# Altium PCB PCB.PcbDoc (part 1 of 2)
Units mm, origin at the board's own origin, x right, y up, seen from the top; angles counter-clockwise.
Board outline 139 x 230 mm, 2 copper layers (Top Layer, Bottom Layer), stack 1.671 mm thick; 214 components, 149 nets, 641 pads, 119 vias.
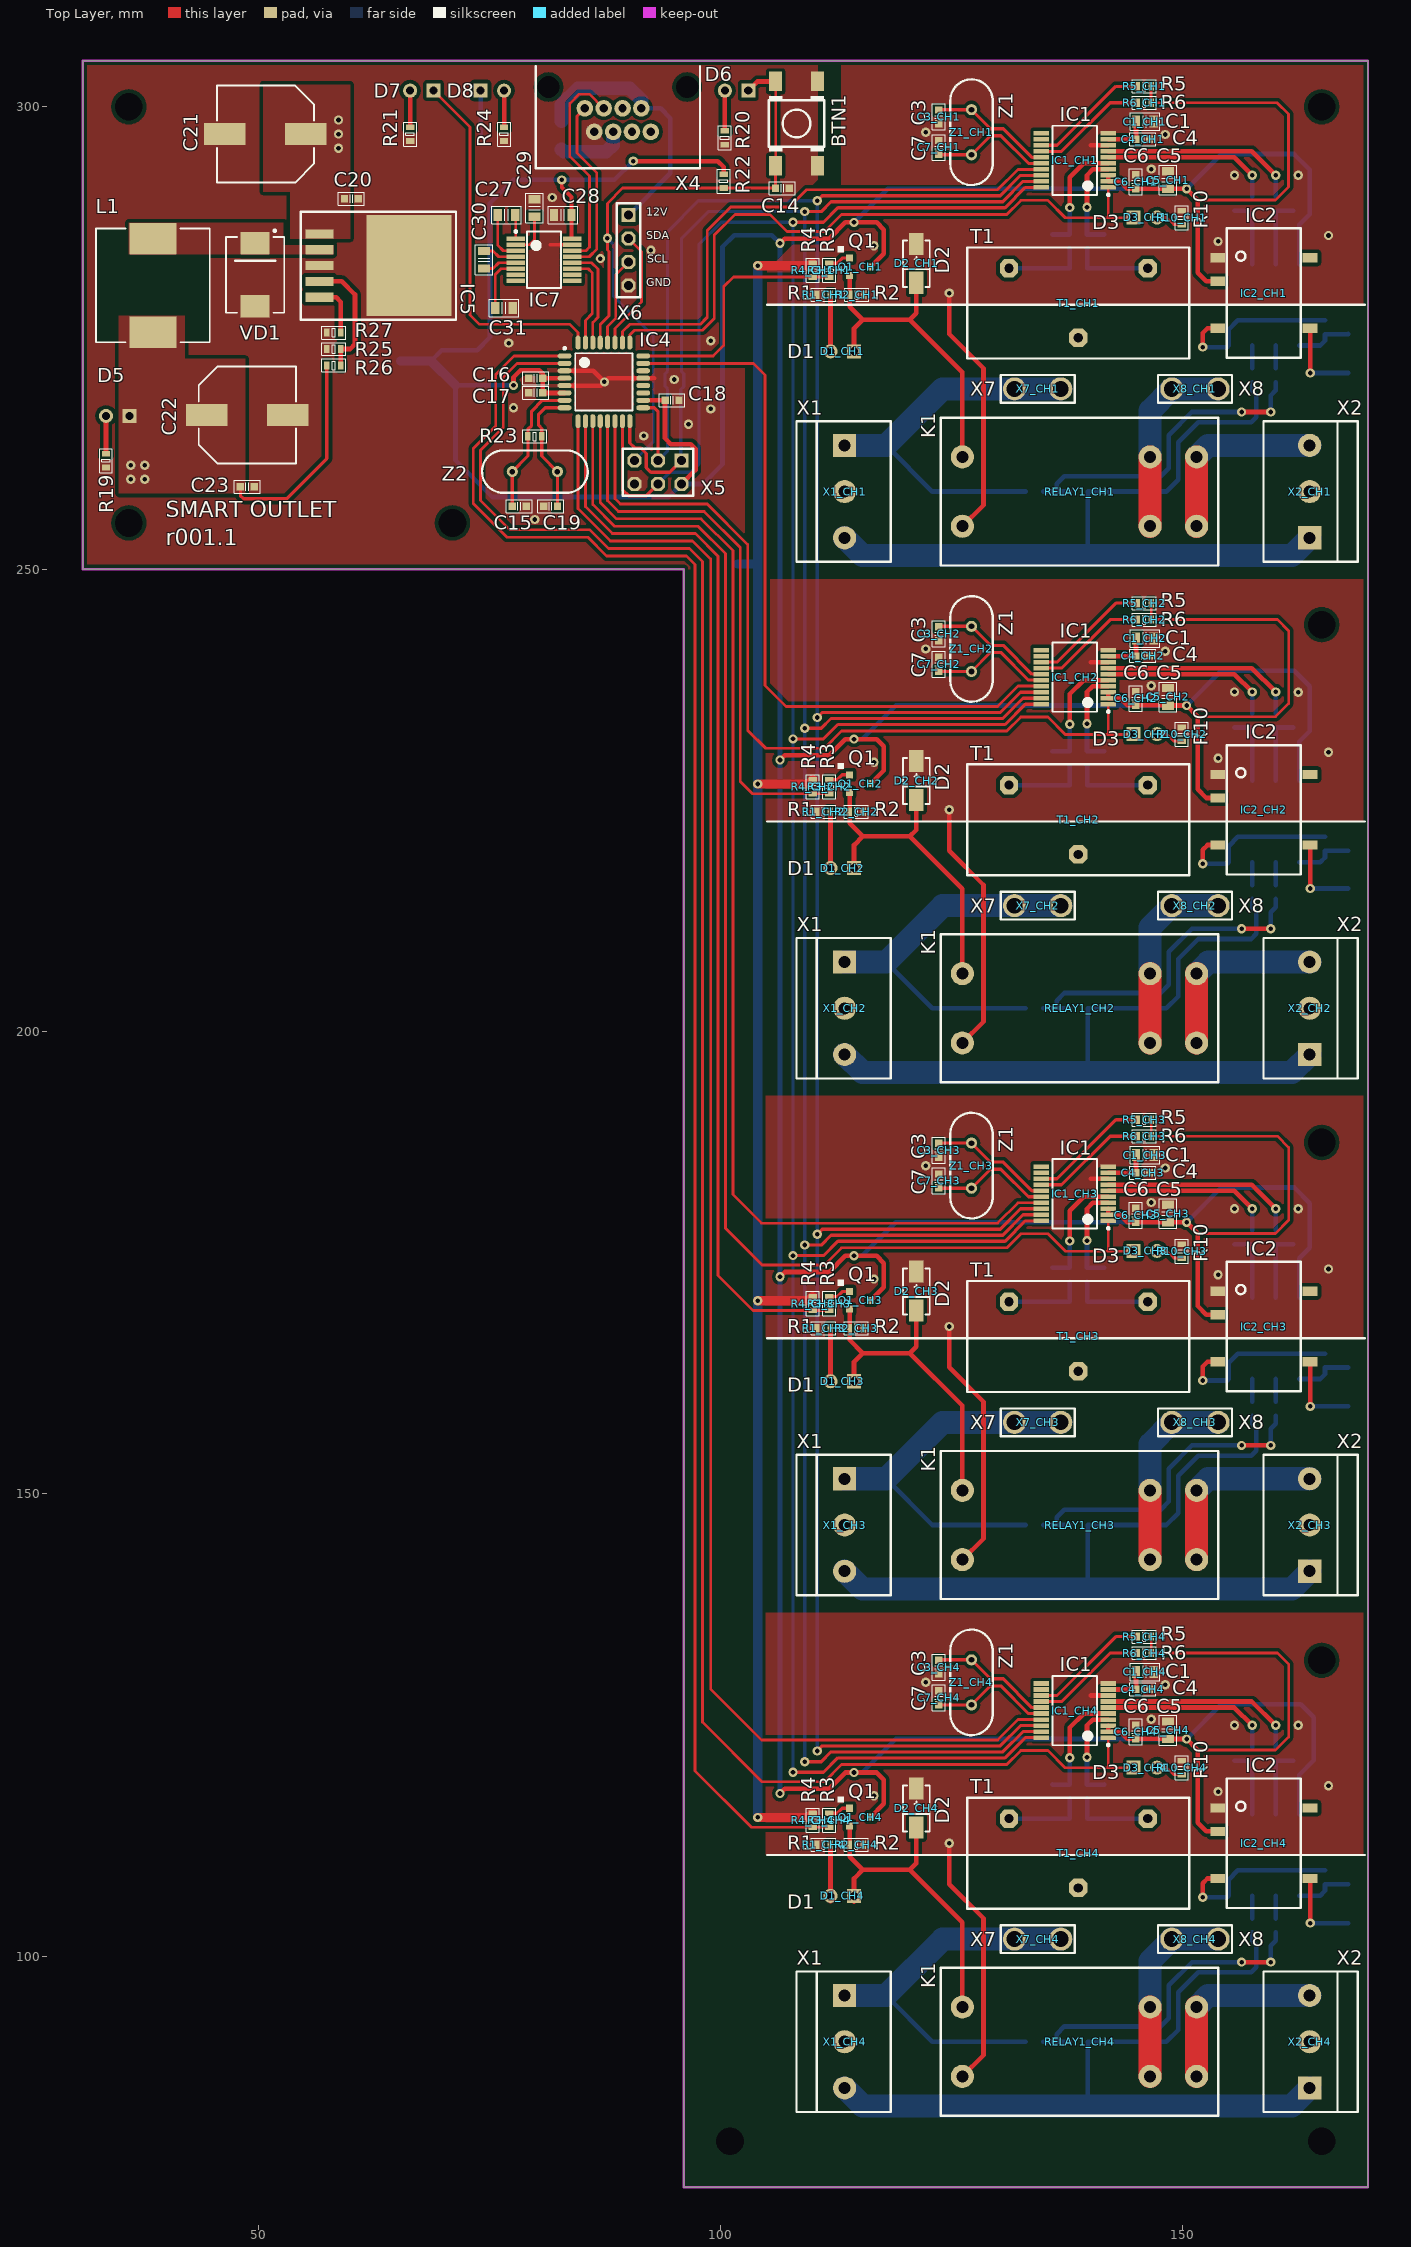
[diagram p0: Top Layer view]
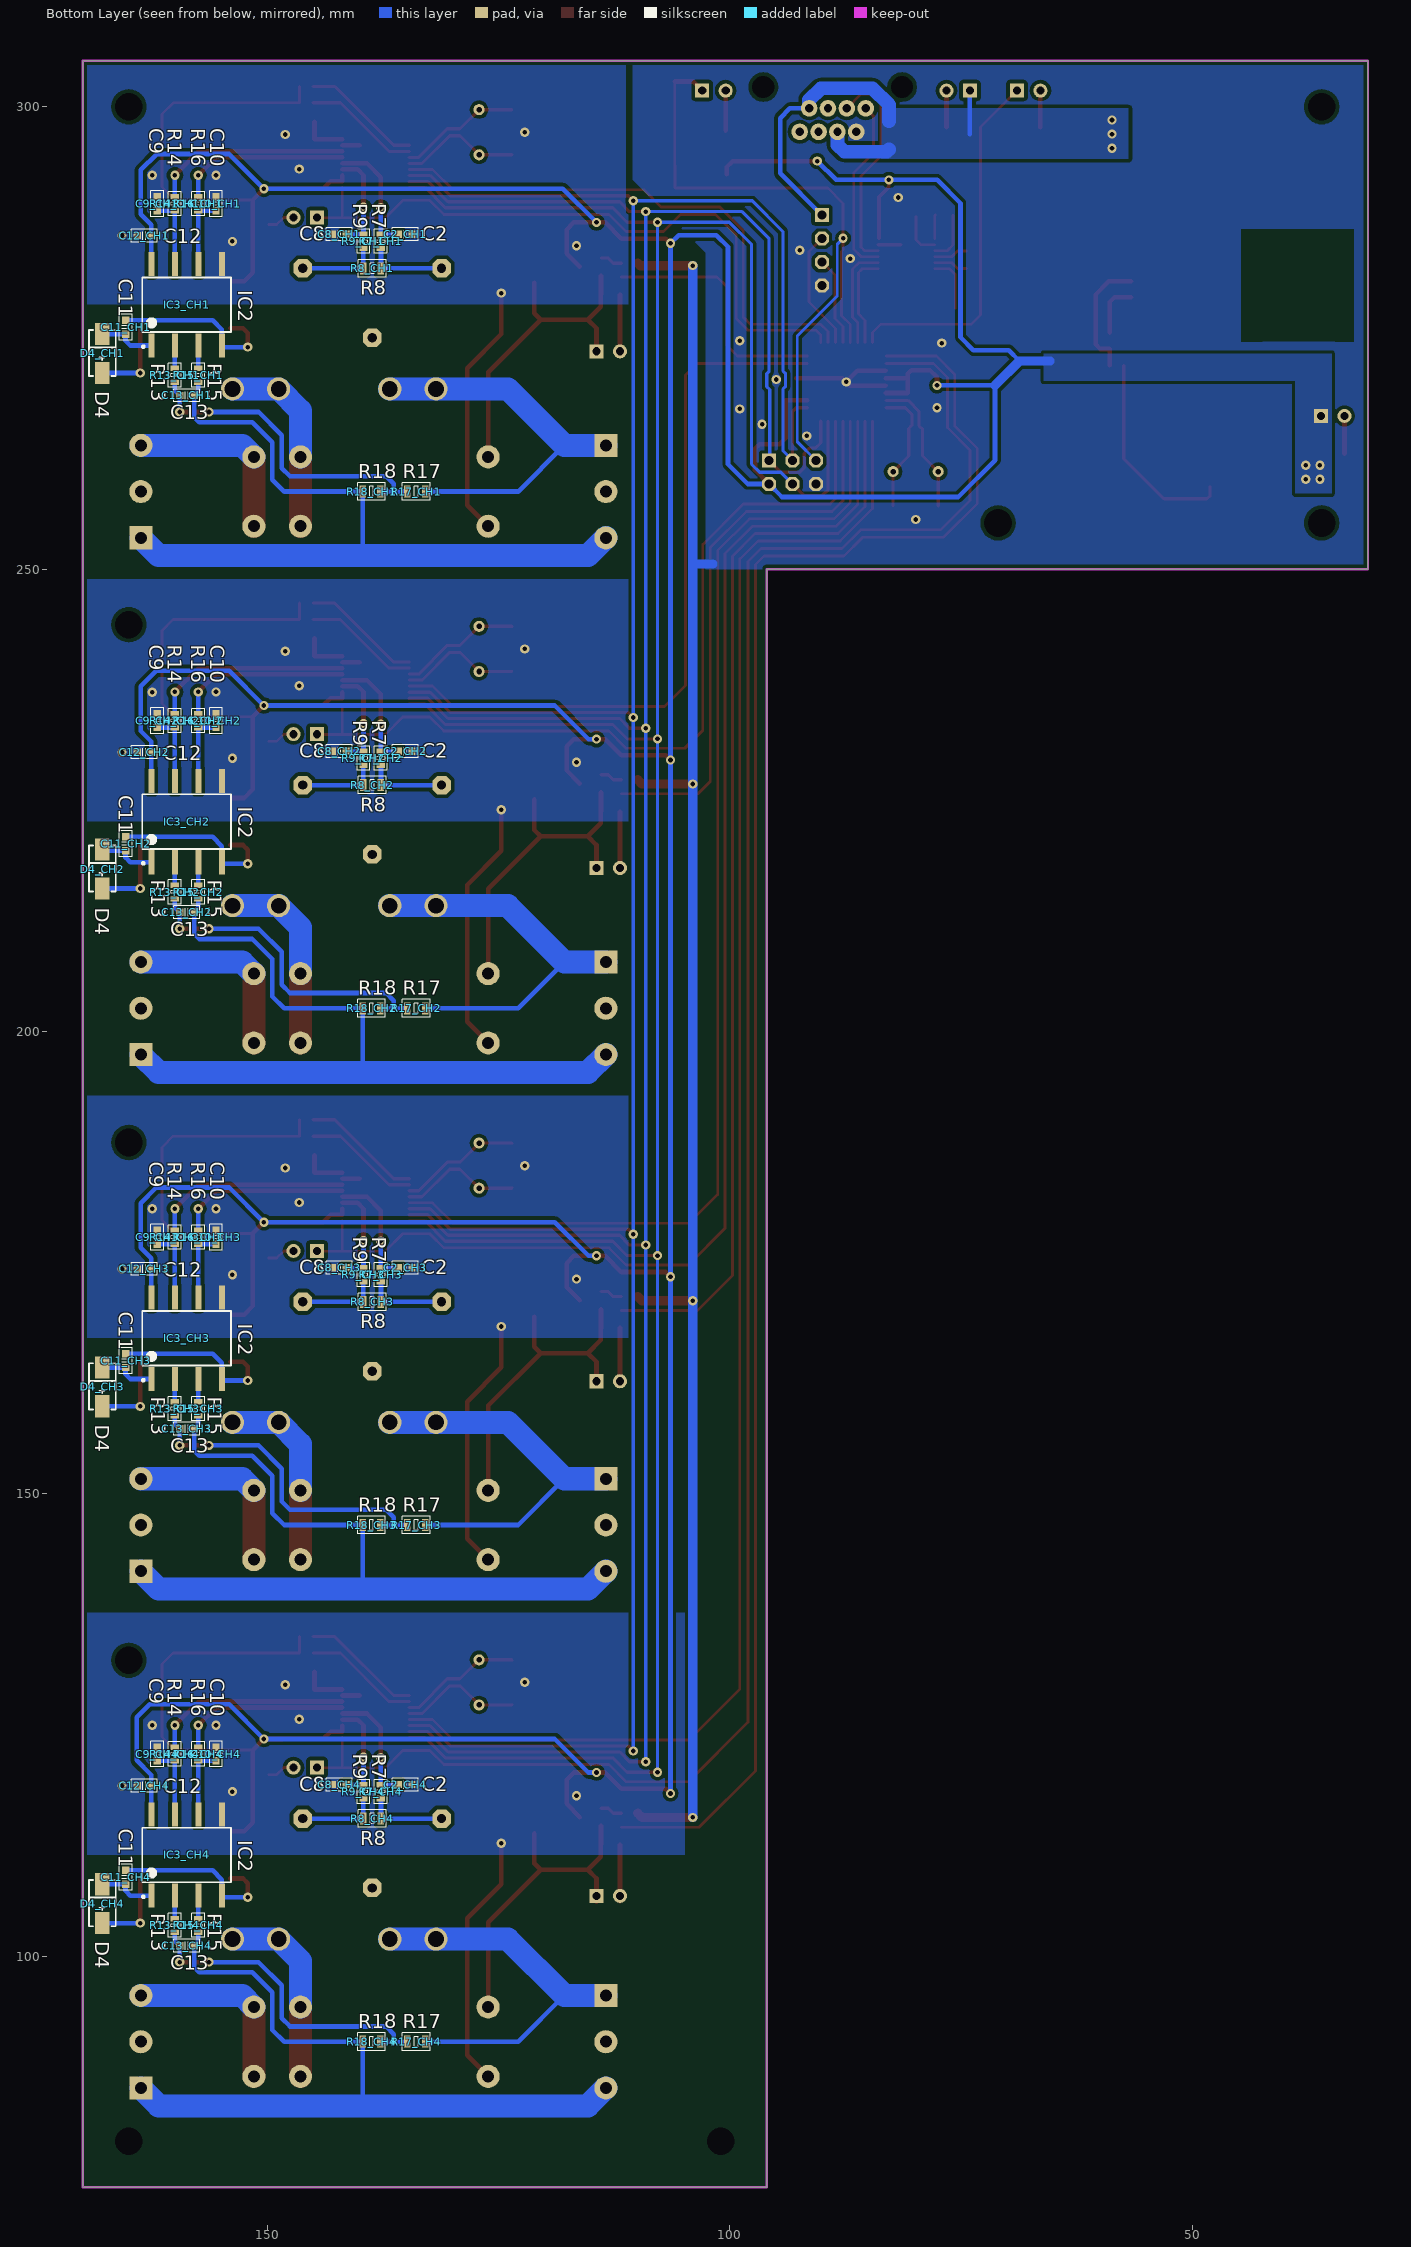
[diagram p1: Bottom Layer view, seen from below]
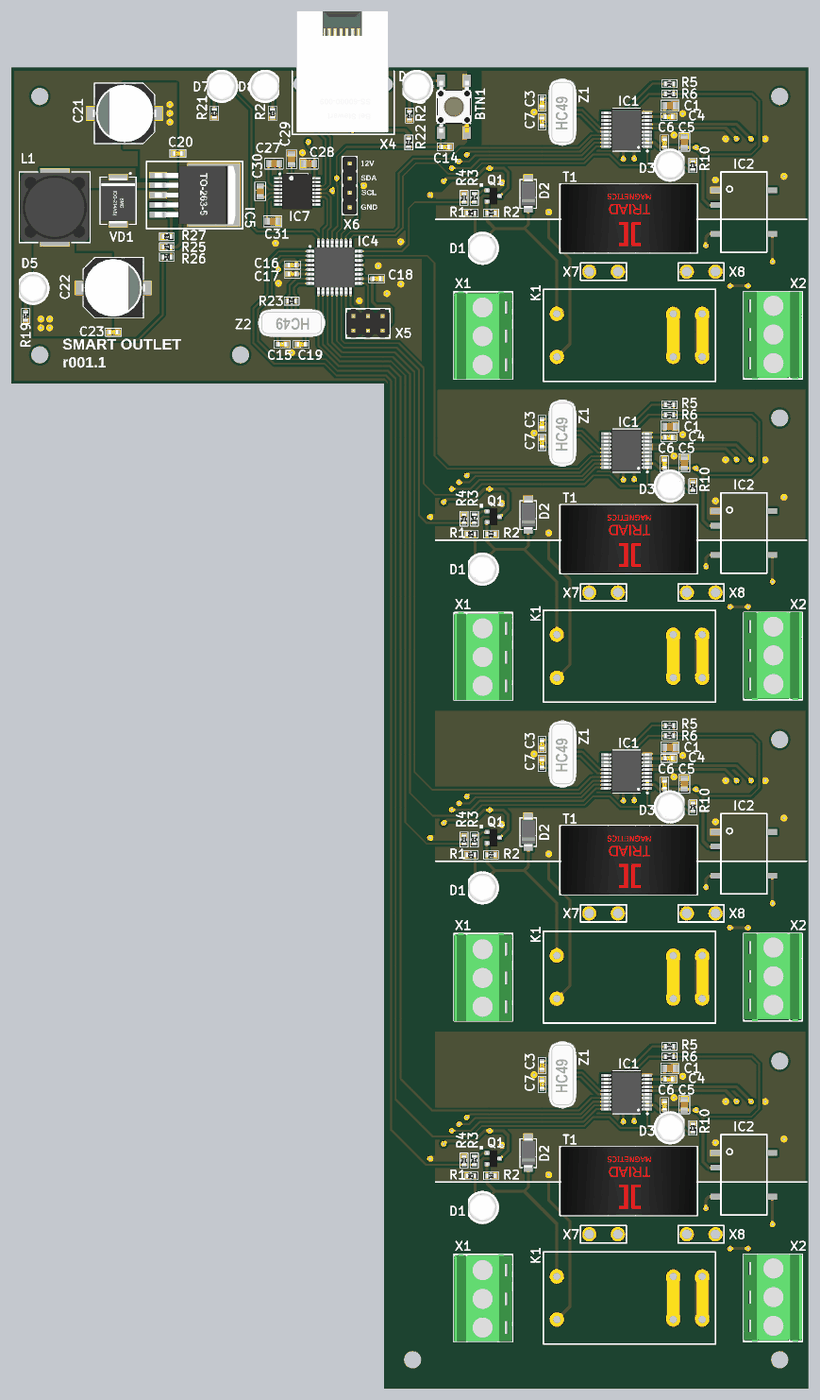
[diagram p3: 3D render of the assembled board from above, using the file's embedded part models]
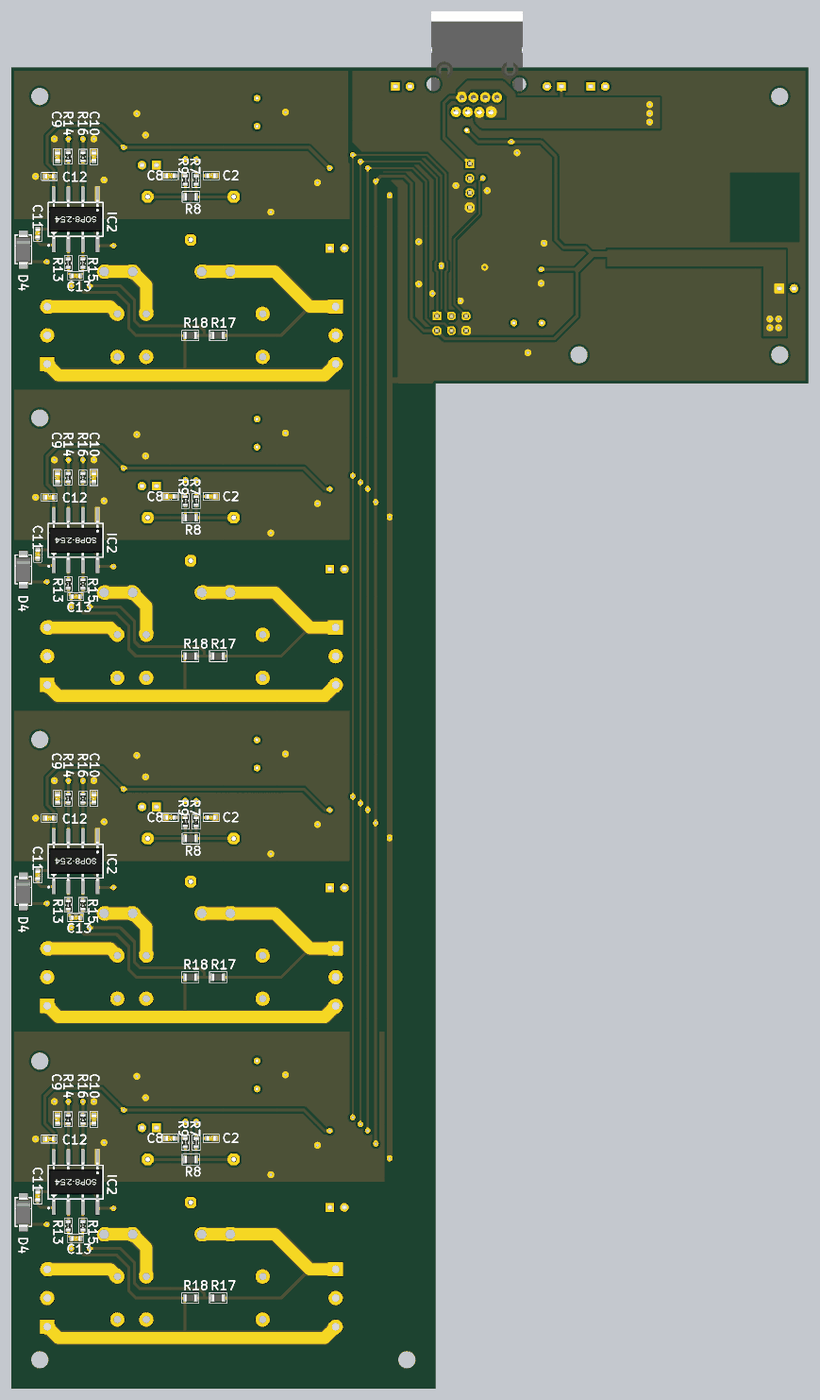
[diagram p4: 3D render of the assembled board from below, using the file's embedded part models]

## Layer stack, top to bottom
Top Solder: solder mask 0.0102, Solder Resist, Dk 3.5
Top Layer: signal copper 0.0356
Dielectric 1: dielectric 1.6, FR-4, Dk 4.8
Bottom Layer: signal copper 0.0356
Bottom Solder: solder mask 0.0102, Solder Resist, Dk 3.5

## Board outline
31,250 31,305 170,305 170,75 96,75 96,250

## Design rules (kind name [scope] priority, off if disabled: settings)
Clearance [All] p1: gap=0.15 ignorepadtopadclearanceinfootprint=FALSE except(0.381: Arc-Poly Track-Poly SMDPad-Poly THPad-Poly Via-Poly Fill-Poly Poly-Poly)
ComponentClearance [All] p1: gap=0.254 collisioncheckmode=3 verticalgap=-5 showdistances=FALSE
Height [All] p1: minheight=0 maxheight=30 prefheight=12.7
HoleSize [All] p1: absolutevalues=TRUE maxlimit=3 minlimit=0.025 maxpercent=80.000 minpercent=20.000
MinimumSolderMaskSliver [All] p1: minsoldermaskwidth=0
PolygonConnect [All] p1: connectstyle=Direct reliefconductorwidth=0.254 reliefentries=4 polygonreliefangle="90 Angle" airgapwidth=0.254
RoomDefinition CH1 [InComponentClass('CH1')] p1: confinementstyle=ConfineIn formatcopy=TRUE lockcomponents=FALSE outline 104.14,248.92 170,248.92 170,304.8 104.14,304.8
RoomDefinition CH4 [InComponentClass('CH4')] p2: confinementstyle=ConfineIn formatcopy=TRUE lockcomponents=FALSE outline 104.14,81.28 170,81.28 170,137.16 104.14,137.16
RoomDefinition CH3 [InComponentClass('CH3')] p3: confinementstyle=ConfineIn formatcopy=TRUE lockcomponents=FALSE outline 104.14,137.16 170,137.16 170,193.04 104.14,193.04
RoomDefinition CH2 [InComponentClass('CH2')] p4: confinementstyle=ConfineIn formatcopy=TRUE lockcomponents=FALSE outline 104.14,193.04 170,193.04 170,248.92 104.14,248.92
RoutingVias [All] p1: holewidth=0.6 width=1.2 viastyle="Through Hole" minholewidth=0.4 minwidth=0.8 maxholewidth=0.5 maxwidth=1
SilkToSilkClearance [All] p1: silktosilkclearance=0
SilkToSolderMaskClearance [IsPad] p1: minsilkscreentomaskgap=0 clearancetoexposedcopper=TRUE
SolderMaskExpansion [All] p1: expansion=0.102
Width [All] p1: maxlimit=3 minlimit=0.254 preferedwidth=0.254
24 further rules are at their usual default settings.

## Classes and differential pairs
component class powerSupply: C20 C21 C22 C23 D8 IC5 L1 R24 R25 R26 R27 VD1
component class processor: BTN1 C14 C15 C16 C17 C18 C19 C27 C28 C29 C30 C31 D5 D6 D7 IC4 IC7 R19 R20 R21 R22 R23 X5 X6 Z2
channel class chanel: CH1 CH2 CH3 CH4
net class RESET[4..1]: RESET1 RESET2 RESET3 RESET4
net class RELAY[4..1]: RELAY1 RELAY2 RELAY3 RELAY4
net class CS[4..1]: CS1 CS2 CS3 CS4
component class CH4: C1_CH4 C2_CH4 C3_CH4 C4_CH4 C5_CH4 C6_CH4 C7_CH4 C8_CH4 C9_CH4 C10_CH4 C11_CH4 C12_CH4 C13_CH4 D1_CH4 D2_CH4 D3_CH4 D4_CH4 IC1_CH4 IC2_CH4 IC3_CH4 Q1_CH4 R1_CH4 R2_CH4 R3_CH4 R4_CH4 R5_CH4 R6_CH4 R7_CH4 R8_CH4 R9_CH4 R10_CH4 R13_CH4 R14_CH4 R15_CH4 R16_CH4 R17_CH4 R18_CH4 RELAY1_CH4 T1_CH4 X1_CH4 X2_CH4 X7_CH4 X8_CH4 Z1_CH4
component class CH3: C1_CH3 C2_CH3 C3_CH3 C4_CH3 C5_CH3 C6_CH3 C7_CH3 C8_CH3 C9_CH3 C10_CH3 C11_CH3 C12_CH3 C13_CH3 D1_CH3 D2_CH3 D3_CH3 D4_CH3 IC1_CH3 IC2_CH3 IC3_CH3 Q1_CH3 R1_CH3 R2_CH3 R3_CH3 R4_CH3 R5_CH3 R6_CH3 R7_CH3 R8_CH3 R9_CH3 R10_CH3 R13_CH3 R14_CH3 R15_CH3 R16_CH3 R17_CH3 R18_CH3 RELAY1_CH3 T1_CH3 X1_CH3 X2_CH3 X7_CH3 X8_CH3 Z1_CH3
component class CH2: C1_CH2 C2_CH2 C3_CH2 C4_CH2 C5_CH2 C6_CH2 C7_CH2 C8_CH2 C9_CH2 C10_CH2 C11_CH2 C12_CH2 C13_CH2 D1_CH2 D2_CH2 D3_CH2 D4_CH2 IC1_CH2 IC2_CH2 IC3_CH2 Q1_CH2 R1_CH2 R2_CH2 R3_CH2 R4_CH2 R5_CH2 R6_CH2 R7_CH2 R8_CH2 R9_CH2 R10_CH2 R13_CH2 R14_CH2 R15_CH2 R16_CH2 R17_CH2 R18_CH2 RELAY1_CH2 T1_CH2 X1_CH2 X2_CH2 X7_CH2 X8_CH2 Z1_CH2
component class CH1: C1_CH1 C2_CH1 C3_CH1 C4_CH1 C5_CH1 C6_CH1 C7_CH1 C8_CH1 C9_CH1 C10_CH1 C11_CH1 C12_CH1 C13_CH1 D1_CH1 D2_CH1 D3_CH1 D4_CH1 IC1_CH1 IC2_CH1 IC3_CH1 Q1_CH1 R1_CH1 R2_CH1 R3_CH1 R4_CH1 R5_CH1 R6_CH1 R7_CH1 R8_CH1 R9_CH1 R10_CH1 R13_CH1 R14_CH1 R15_CH1 R16_CH1 R17_CH1 R18_CH1 RELAY1_CH1 T1_CH1 X1_CH1 X2_CH1 X7_CH1 X8_CH1 Z1_CH1
component class main: X4

## Components (designator, comment, footprint, x,y, rotation, side; value= is the part's Value field where it differs from the comment)
BTN1 "Push Button" "PUSH BUTTON" 108.204,298.196 r270 top
C1_CH1 "10u" C_0805 145.872,298.399 r0 top (schematic designator C1)
C1_CH2 "10u" C_0805 145.872,242.519 r0 top (schematic designator C1)
C1_CH3 "10u" C_0805 145.872,186.639 r0 top (schematic designator C1)
C1_CH4 "10u" C_0805 145.872,130.759 r0 top (schematic designator C1)
C2_CH1 "33n" C_0603 135.128,286.207 r180 bottom (schematic designator C2)
C2_CH2 "33n" C_0603 135.128,230.327 r180 bottom (schematic designator C2)
C2_CH3 "33n" C_0603 135.128,174.447 r180 bottom (schematic designator C2)
C2_CH4 "33n" C_0603 135.128,118.567 r180 bottom (schematic designator C2)
C3_CH1 "22p" C_0603 123.571,298.907 r90 top (schematic designator C3)
C3_CH2 "22p" C_0603 123.571,243.027 r90 top (schematic designator C3)
C3_CH3 "22p" C_0603 123.571,187.147 r90 top (schematic designator C3)
C3_CH4 "22p" C_0603 123.571,131.267 r90 top (schematic designator C3)
C4_CH1 "100n" C_0603 145.669,296.494 r0 top (schematic designator C4)
C4_CH2 "100n" C_0603 145.669,240.614 r0 top (schematic designator C4)
C4_CH3 "100n" C_0603 145.669,184.734 r0 top (schematic designator C4)
C4_CH4 "100n" C_0603 145.669,128.854 r0 top (schematic designator C4)
C5_CH1 "10u" C_0805 148.361,292.075 r270 top (schematic designator C5)
C5_CH2 "10u" C_0805 148.361,236.195 r270 top (schematic designator C5)
C5_CH3 "10u" C_0805 148.361,180.315 r270 top (schematic designator C5)
C5_CH4 "10u" C_0805 148.361,124.435 r270 top (schematic designator C5)
C6_CH1 "100n" C_0603 144.907,291.897 r270 top (schematic designator C6)
C6_CH2 "100n" C_0603 144.907,236.017 r270 top (schematic designator C6)
C6_CH3 "100n" C_0603 144.907,180.137 r270 top (schematic designator C6)
C6_CH4 "100n" C_0603 144.907,124.257 r270 top (schematic designator C6)
C7_CH1 "22p" C_0603 123.571,295.605 r270 top (schematic designator C7)
C7_CH2 "22p" C_0603 123.571,239.725 r270 top (schematic designator C7)
C7_CH3 "22p" C_0603 123.571,183.845 r270 top (schematic designator C7)
C7_CH4 "22p" C_0603 123.571,127.965 r270 top (schematic designator C7)
C8_CH1 "33n" C_0603 142.24,286.207 r0 bottom (schematic designator C8)
C8_CH2 "33n" C_0603 142.24,230.327 r0 bottom (schematic designator C8)
C8_CH3 "33n" C_0603 142.24,174.447 r0 bottom (schematic designator C8)
C8_CH4 "33n" C_0603 142.24,118.567 r0 bottom (schematic designator C8)
C9_CH1 "33n" C_0603 161.925,289.509 r90 bottom (schematic designator C9)
C9_CH2 "33n" C_0603 161.925,233.629 r90 bottom (schematic designator C9)
C9_CH3 "33n" C_0603 161.925,177.749 r90 bottom (schematic designator C9)
C9_CH4 "33n" C_0603 161.925,121.869 r90 bottom (schematic designator C9)
C10_CH1 "33n" C_0603 155.575,289.509 r90 bottom (schematic designator C10)
C10_CH2 "33n" C_0603 155.575,233.629 r90 bottom (schematic designator C10)
C10_CH3 "33n" C_0603 155.575,177.749 r90 bottom (schematic designator C10)
C10_CH4 "33n" C_0603 155.575,121.869 r90 bottom (schematic designator C10)
C11_CH1 "0.1u" C_0603 165.354,276.174 r270 bottom (schematic designator C11)
C11_CH2 "0.1u" C_0603 165.354,220.294 r270 bottom (schematic designator C11)
C11_CH3 "0.1u" C_0603 165.354,164.414 r270 bottom (schematic designator C11)
C11_CH4 "0.1u" C_0603 165.354,108.534 r270 bottom (schematic designator C11)
C12_CH1 "0.1u" C_0603 163.322,286.08 r180 bottom (schematic designator C12)
C12_CH2 "0.1u" C_0603 163.322,230.2 r180 bottom (schematic designator C12)
C12_CH3 "0.1u" C_0603 163.322,174.32 r180 bottom (schematic designator C12)
C12_CH4 "0.1u" C_0603 163.322,118.44 r180 bottom (schematic designator C12)
C13_CH1 "330p" C_0603 158.725,268.783 r180 bottom (schematic designator C13)
C13_CH2 "330p" C_0603 158.725,212.903 r180 bottom (schematic designator C13)
C13_CH3 "330p" C_0603 158.725,157.023 r180 bottom (schematic designator C13)
C13_CH4 "330p" C_0603 158.725,101.143 r180 bottom (schematic designator C13)
C14 "1u" C_0603 106.68,291.211 r180 top
C15 "22p" C_0603 78.232,256.819 r0 top
C16 "100n" C_0603 80.01,270.662 r0 top
C17 "100n" C_0603 80.01,269.062 r0 top
C18 "100n" C_0603 94.742,268.249 r180 top
C19 "22p" C_0603 81.61,256.819 r180 top
C20 "0.1u" C_0603 60.071,290.068 r180 top
C21 "470u" ELV471M25RF 50.768,297.053 r180 top
C22 "470u" ELV471M25RF 48.819,266.675 r0 top
C23 "0.1u" C_0603 48.819,258.928 r180 top
C27 "0.1u" C_0805 76.835,288.29 r0 top
C28 "0.1u" C_0805 82.931,288.29 r180 top
C29 "0.47u" C_0805 79.883,289.052 r270 top
C30 "0.47u" C_0805 74.422,283.464 r90 top
C31 "0.47u" C_0805 76.581,278.257 r180 top
D1_CH1 "" LED_5mm 114.427,273.558 r180 top (schematic designator D1)
D1_CH2 "" LED_5mm 114.427,217.678 r180 top (schematic designator D1)
D1_CH3 "" LED_5mm 114.427,162.179 r180 top (schematic designator D1)
D1_CH4 "" LED_5mm 114.427,106.528 r180 top (schematic designator D1)
D2_CH1 "D_DO-214AC" DO-214AC 121.158,283.083 r90 top (schematic designator D2)
D2_CH2 "D_DO-214AC" DO-214AC 121.158,227.144 r90 top (schematic designator D2)
D2_CH3 "D_DO-214AC" DO-214AC 121.158,171.933 r90 top (schematic designator D2)
D2_CH4 "D_DO-214AC" DO-214AC 121.158,116.027 r90 top (schematic designator D2)
D3_CH1 "" LED_5mm 144.653,288.036 r0 top (schematic designator D3)
D3_CH2 "" LED_5mm 144.653,232.156 r0 top (schematic designator D3)
D3_CH3 "" LED_5mm 144.653,176.276 r0 top (schematic designator D3)
D3_CH4 "" LED_5mm 144.653,120.396 r0 top (schematic designator D3)
D4_CH1 "D_DO-214AC" DO-214AC 167.869,273.329 r270 bottom (schematic designator D4)
D4_CH2 "D_DO-214AC" DO-214AC 167.869,217.576 r270 bottom (schematic designator D4)
D4_CH3 "D_DO-214AC" DO-214AC 167.869,161.569 r270 bottom (schematic designator D4)
D4_CH4 "D_DO-214AC" DO-214AC 167.869,105.689 r270 bottom (schematic designator D4)
D5 "" LED_5mm 36.068,266.573 r180 top
D6 "" LED_5mm 102.997,301.752 r180 top
D7 "" LED_5mm 68.961,301.752 r180 top
D8 "" LED_5mm 74.041,301.752 r0 top
IC1_CH1 "ADE7753" SOP-20 138.303,294.208 r180 top (schematic designator IC1)
IC1_CH2 "ADE7753" SOP-20 138.303,238.328 r180 top (schematic designator IC1)
IC1_CH3 "ADE7753" SOP-20 138.303,182.448 r180 top (schematic designator IC1)
IC1_CH4 "ADE7753" SOP-20 138.303,126.568 r180 top (schematic designator IC1)
IC2_CH1 "TES 1-0511" "TES 1-0511" 158.75,279.857 r0 top (schematic designator IC2)
IC2_CH2 "TES 1-0511" "TES 1-0511" 158.75,223.977 r0 top (schematic designator IC2)
IC2_CH3 "TES 1-0511" "TES 1-0511" 158.75,168.097 r0 top (schematic designator IC2)
IC2_CH4 "TES 1-0511" "TES 1-0511" 158.75,112.217 r0 top (schematic designator IC2)
IC3_CH1 "AMC1100DUB" SOP254-8N 158.75,278.587 r90 bottom (schematic designator IC3)
IC3_CH2 "AMC1100DUB" SOP254-8N 158.75,222.707 r90 bottom (schematic designator IC3)
IC3_CH3 "AMC1100DUB" SOP254-8N 158.75,166.827 r90 bottom (schematic designator IC3)
IC3_CH4 "AMC1100DUB" SOP254-8N 158.75,110.947 r90 bottom (schematic designator IC3)
IC4 "ATmega328" TQFP-32 87.376,270.256 r0 top
IC5 "AX3161" TO263-5L 61.468,282.829 r270 top
IC7 "MAX3232" SSOP-16 80.899,283.464 r0 top
L1 "120uH" L-12.3x12.3 38.608,280.695 r270 top
Q1_CH1 "IRLML2502" SOT23 113.944,283.642 r0 top (schematic designator Q1)
Q1_CH2 "IRLML2502" SOT23 113.944,227.762 r0 top (schematic designator Q1)
Q1_CH3 "IRLML2502" SOT23 113.944,171.882 r0 top (schematic designator Q1)
Q1_CH4 "IRLML2502" SOT23 113.944,116.002 r0 top (schematic designator Q1)
R1_CH1 "2.2k" R_0603 111.125,279.679 r180 top (schematic designator R1)
R1_CH2 "2.2k" R_0603 111.125,223.774 r180 top (schematic designator R1)
R1_CH3 "2.2k" R_0603 111.125,167.919 r180 top (schematic designator R1)
R1_CH4 "2.2k" R_0603 111.125,112.039 r180 top (schematic designator R1)
R2_CH1 "100k" R_0603 114.706,279.679 r0 top (schematic designator R2)
R2_CH2 "100k" R_0603 114.681,223.774 r0 top (schematic designator R2)